# KiCad board latentpink.kicad_pcb (continued)
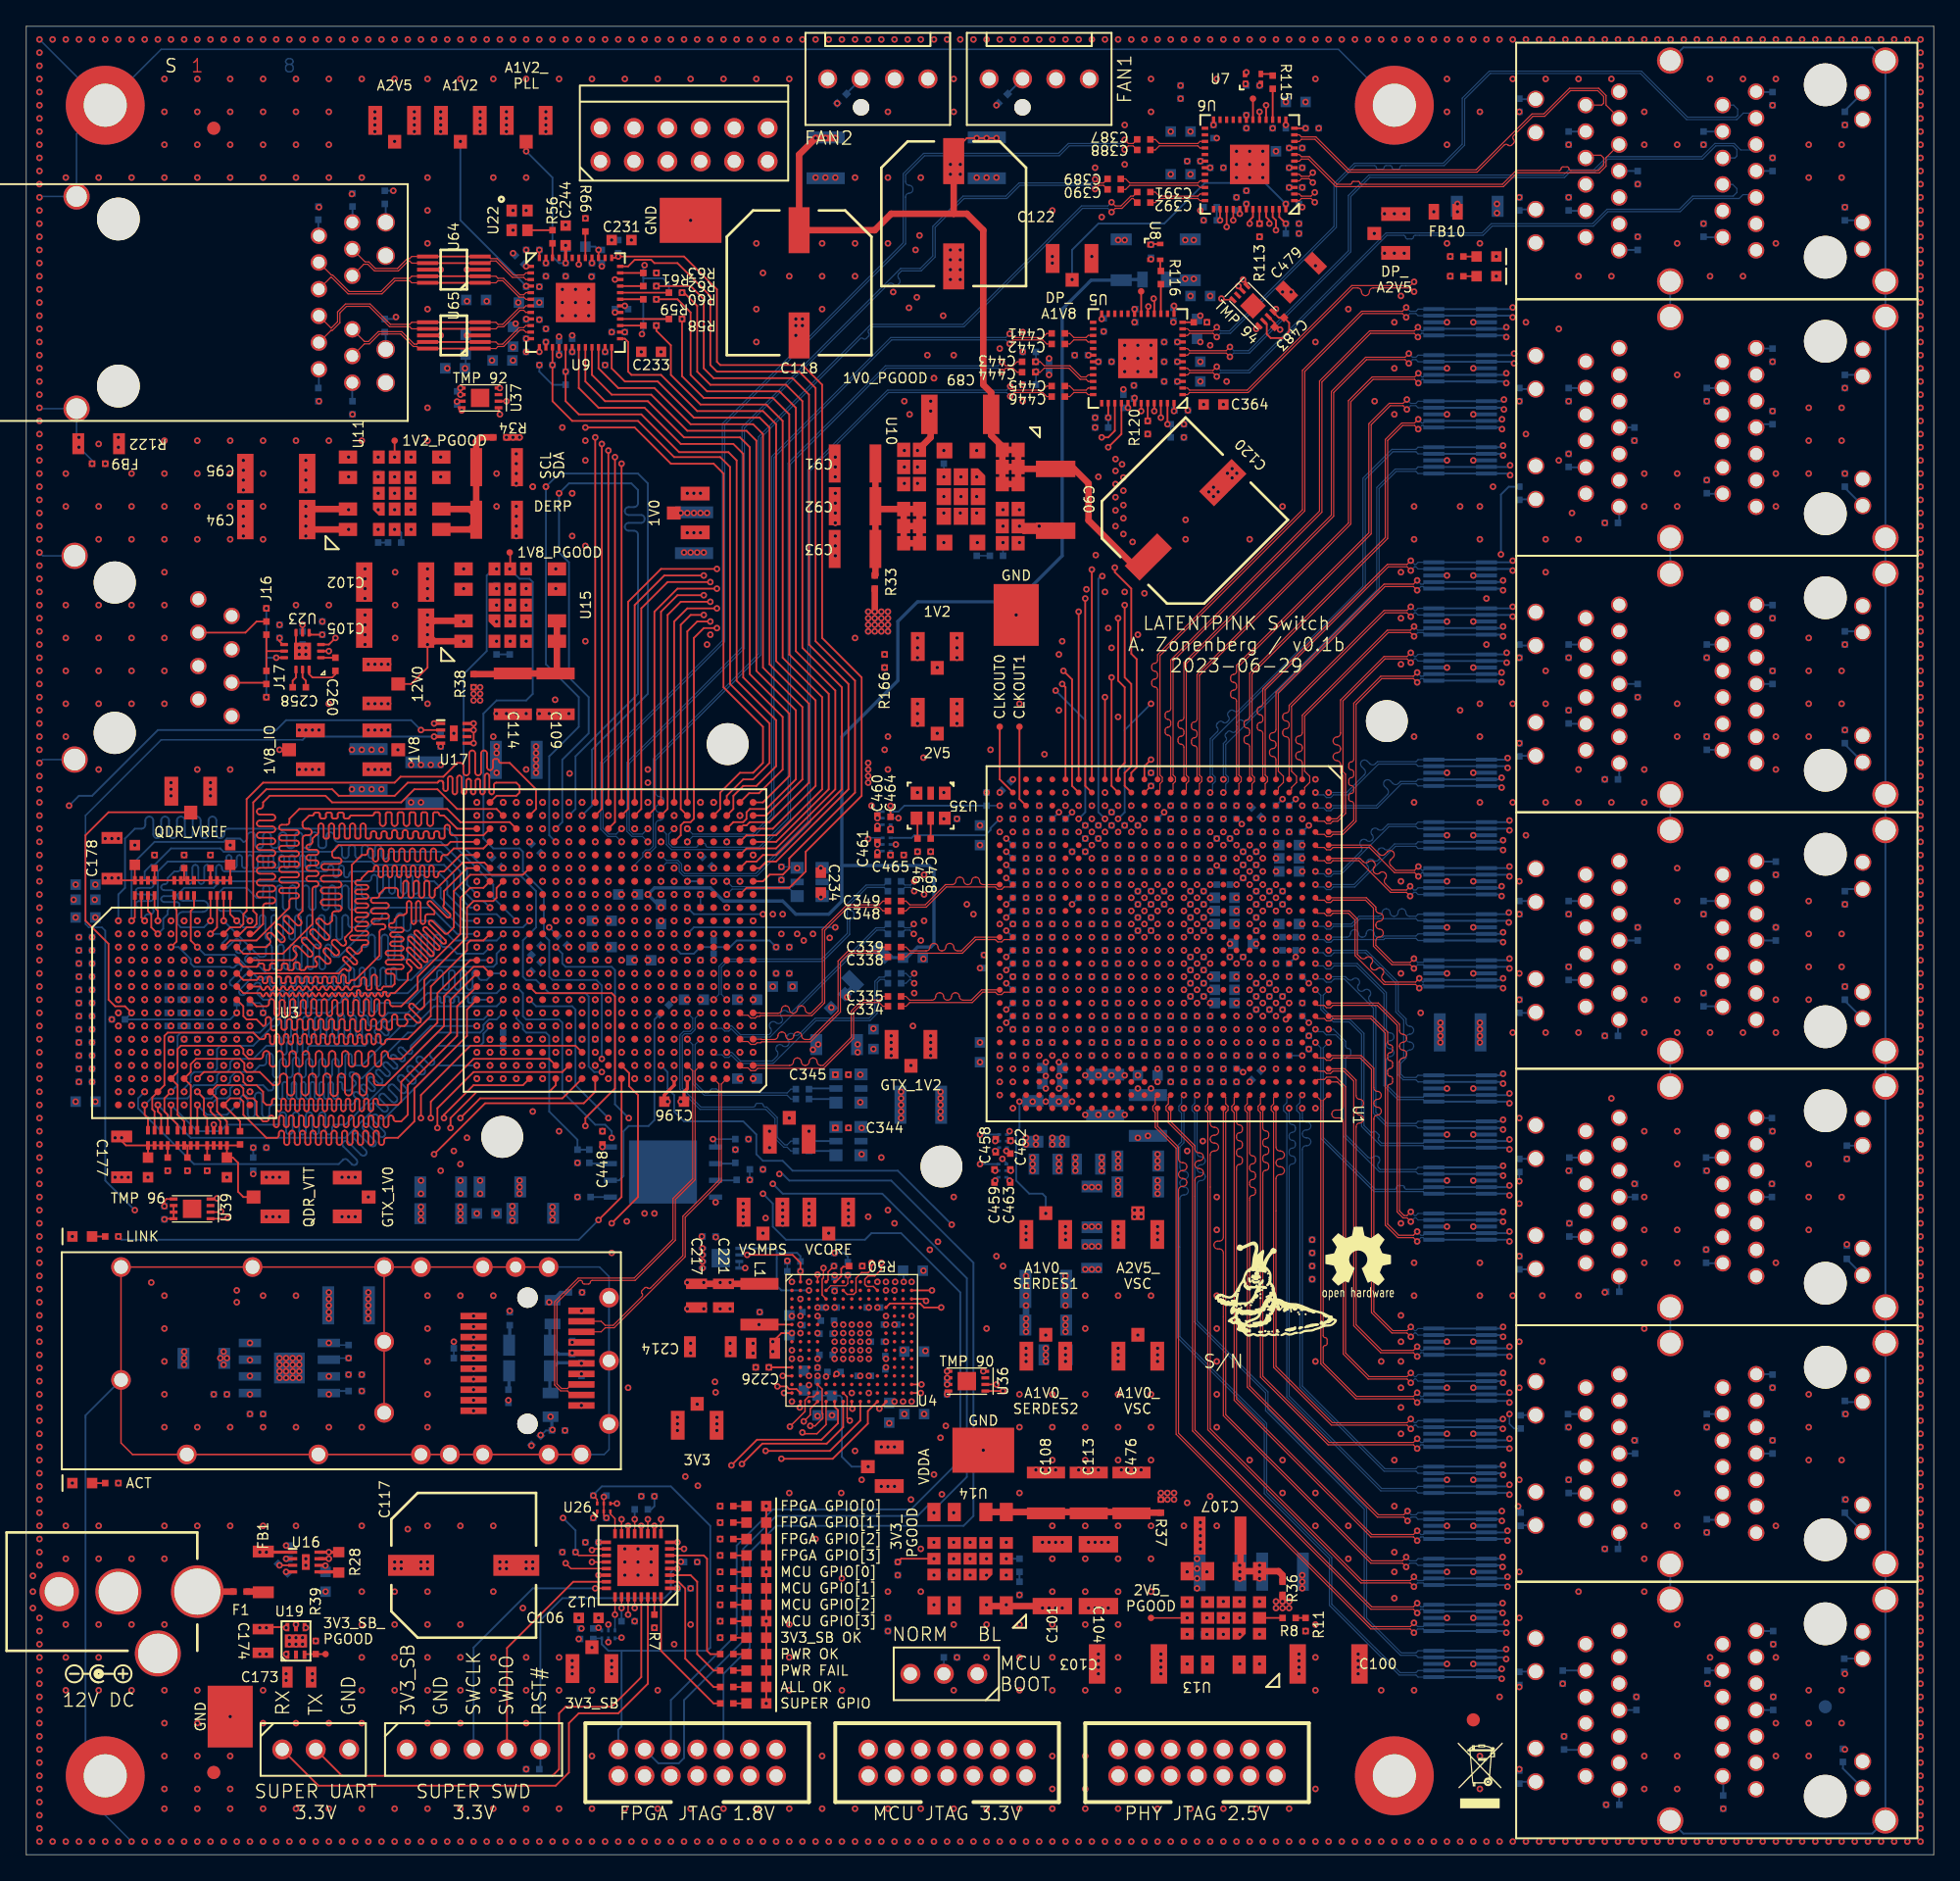
[diagram p0: board, top side]
## Footprints (pads in the part's own frame, mm; a bottom-side part is the same pattern mirrored in y, then rotated) (continued)
MODULE_MURATA_MYMGK00504ERSR
  rect 1x1.4 smd: 1(-2.75,3.55) 2(-1.2,3.55) 6(-2.75,-3.55) 7(-1.2,-3.55) 8(1.2,-3.55) 9(2.75,-3.55) 13(2.75,3.55) 14(1.2,3.55)
  rect 1x0.9 smd: 3(-2.75,1.2) 4(-2.75,0) 5(-2.75,-1.2) 10(2.75,-1.2) 11(2.75,0) 12(2.75,1.2) 16(-1.2,0) 17(-1.2,-1.2) 18(0,1.2) 19(0,0) 20(0,-1.2) 21(1.2,1.2) 22(1.2,0) 23(1.2,-1.2)
  rrect 1x0.9 smd: 15(-1.2,1.2)
OSCILLATOR_1.6x1.2
  rect 0.43x0.5 smd: 1(-0.56,-0.375)
  rect 0.35x0.5 smd: 2(0.6,-0.375) 3(0.6,0.375) 4(-0.6,0.375)
OSCILLATOR_2.0x1.6
  rect 0.9x0.8 smd: 1(0.75,0.6) 2(-0.75,0.6) 3(-0.75,-0.6) 4(0.75,-0.6)
OSCILLATOR_LVDS_3.2x2.5
  rect 0.9x1 smd: 1(-1.075,-0.95) 3(1.075,-0.95) 4(1.075,0.95) 6(-1.075,0.95)
  rect 0.5x1 smd: 2(0,-0.95) 5(0,0.95)
QFN_12_0.5MM_3x3MM
  rrect 0.6x0.25 smd: 1(-1.4,0.5) 2(-1.4,0) 3(-1.4,-0.5) 7(1.4,-0.5) 8(1.4,0) 9(1.4,0.5)
  rrect 0.25x0.6 smd: 4(-0.5,-1.4) 5(0,-1.4) 6(0.5,-1.4) 10(0.5,1.4) 11(0,1.4) 12(-0.5,1.4)
  rect 1.3x1.3 smd: PAD(0,0)
QFN_32_0.5MM_5x5MM
  rect 0.6x0.6 smd: (-1.275,1.275) (-1.275,0.425) (-1.275,-0.425) (-1.275,-1.275) (-0.425,1.275) (-0.425,0.425) (-0.425,-0.425) (-0.425,-1.275) (0.425,1.275) (0.425,0.425) (0.425,-0.425) (0.425,-1.275) (1.275,1.275) (1.275,0.425) (1.275,-0.425) (1.275,-1.275)
  rect 0.7x0.28 smd: 1(-2.4,1.75) 2(-2.4,1.25) 3(-2.4,0.75) 4(-2.4,0.25) 5(-2.4,-0.25) 6(-2.4,-0.75) 7(-2.4,-1.25) 8(-2.4,-1.75) 17(2.4,-1.75) 18(2.4,-1.25) 19(2.4,-0.75) 20(2.4,-0.25) 21(2.4,0.25) 22(2.4,0.75) 23(2.4,1.25) 24(2.4,1.75)
  rect 0.28x0.7 smd: 9(-1.75,-2.4) 10(-1.25,-2.4) 11(-0.75,-2.4) 12(-0.25,-2.4) 13(0.25,-2.4) 14(0.75,-2.4) 15(1.25,-2.4) 16(1.75,-2.4) 25(1.75,2.4) 26(1.25,2.4) 27(0.75,2.4) 28(0.25,2.4) 29(-0.25,2.4) 30(-0.75,2.4) 31(-1.25,2.4) 32(-1.75,2.4)
  rect 3.15x3.15 smd: PAD(0,0)
QFN_48_0.5MM_7x7MM
  rect 0.5x0.25 smd: 1(-3.4,2.75) 2(-3.4,2.25) 3(-3.4,1.75) 4(-3.4,1.25) 5(-3.4,0.75) 6(-3.4,0.25) 7(-3.4,-0.25) 8(-3.4,-0.75) 9(-3.4,-1.25) 10(-3.4,-1.75) 11(-3.4,-2.25) 12(-3.4,-2.75) 25(3.4,-2.75) 26(3.4,-2.25) 27(3.4,-1.75) 28(3.4,-1.25) 29(3.4,-0.75) 30(3.4,-0.25) 31(3.4,0.25) 32(3.4,0.75) 33(3.4,1.25) 34(3.4,1.75) 35(3.4,2.25) 36(3.4,2.75)
  rect 0.25x0.5 smd: 13(-2.75,-3.4) 14(-2.25,-3.4) 15(-1.75,-3.4) 16(-1.25,-3.4) 17(-0.75,-3.4) 18(-0.25,-3.4) 19(0.25,-3.4) 20(0.75,-3.4) 21(1.25,-3.4) 22(1.75,-3.4) 23(2.25,-3.4) 24(2.75,-3.4) 37(2.75,3.4) 38(2.25,3.4) 39(1.75,3.4) 40(1.25,3.4) 41(0.75,3.4) 42(0.25,3.4) 43(-0.25,3.4) 44(-0.75,3.4) 45(-1.25,3.4) 46(-1.75,3.4) 47(-2.25,3.4) 48(-2.75,3.4)
  rect 0.75x0.75 smd: PAD(-1,1) PAD(-1,0) PAD(-1,-1) PAD(0,1) PAD(0,0) PAD(0,-1) PAD(1,1) PAD(1,0) PAD(1,-1)
  rect 3x3 smd: PAD(0,0)
SOIC_8_3.9MM_EPAD
  rect 0.65x1.7 smd: 1(-1.905,-3) 2(-0.635,-3) 3(0.635,-3) 4(1.905,-3) 5(1.905,3) 6(0.635,3) 7(-0.635,3) 8(-1.905,3)
  rect 2.34x2.34 smd: PAD(0,0)
SOP_10_0.5MM_3MM
  rect 0.3x1.6 smd: 1(-1,-2) 2(-0.5,-2) 3(0,-2) 4(0.5,-2) 5(1,-2) 6(1,2) 7(0.5,2) 8(0,2) 9(-0.5,2) 10(-1,2)
TESTPOINT_SMT_0.5MM
  round 0.5 smd: 1(0,0)
TESTPOINT_SMT_KEYSTONE_5016
  rect 4.7x3.43 smd: 1(0,0)
XILINX_JTAG_PTH_MOLEX_0878311420
  round 1.5 hole 1: 1(-6,-1) 2(-6,1) 3(-4,-1) 4(-4,1) 5(-2,-1) 6(-2,1) 7(0,-1) 8(0,1) 9(2,-1) 10(2,1) 11(4,-1) 12(4,1) 13(6,-1) 14(6,1)
YAGEO_YC124-FR
  rect 0.3x0.65 smd: 1(-0.75,-0.575) 2(-0.25,-0.575) 3(0.25,-0.575) 4(0.75,-0.575) 5(0.75,0.575) 6(0.25,0.575) 7(-0.25,0.575) 8(-0.75,0.575)

## Nets
/1V0: C1.1 C2.1 C3.1 C4.1 C5.1 C8.1 C9.1 C10.1 C11.1 C12.1 C15.1 C16.1 C17.1 C18.1 C19.1 C22.1 C23.1 C24.1 C25.1 C26.1 C29.1 C30.1 C31.1 C32.1 C33.1 C36.1 C37.1 C38.1 C39.1 C40.1 C43.1 C44.1 C45.1 C46.1 C47.1 C50.1 C51.1 C52.1 C53.1 C56.1 C57.1 C58.1 C59.1 C62.1 C63.1 C64.1 C65.1 C154.1 C158.1 C161.1 C163.1 C165.1 C193.1 C262.1 C263.1 C284.1 C358.1 C362.1 C366.1 C370.1 C373.1 C376.1 C381.1 C383.1 C385.1 C386.1 FB2.1 L2.2 L3.2 L5.2 R33.1 R35.2 TP12.1 U1.G6 U1.G7 U1.G8 U1.G11 U1.G12 U1.G15 U1.G16 U1.G19 U1.G20 U1.G21 U1.H6 U1.H7 U1.H8 U1.H9 U1.H10 U1.H11 U1.H12 U1.H15 U1.H16 U1.H17 U1.H18 U1.H19 U1.H20 U1.H21 U1.L6 U1.L7 U1.L20 U1.L21 U1.M6 U1.M7 U1.M20 U1.M21 U1.N6 U1.N7 U1.N20 U1.N21 U1.P6 U1.P7 U1.P20 U1.P21 U1.R6 U1.R7 U1.R20 U1.R21 U1.T6 U1.T7 U1.T20 U1.T21 U1.V6 U1.V7 U1.V8 U1.V9 U1.V10 U1.V11 U1.V12 U1.V13 U1.V14 U1.V15 U1.V16 U1.V17 U1.V18 U1.V19 U1.V20 U1.V21 U1.W6 U1.W7 U1.W8 U1.W9 U1.W10 U1.W11 U1.W12 U1.W13 U1.W14 U1.W15 U1.W16 U1.W17 U1.W18 U1.W19 U1.W20 U1.W21 U2.J9 U2.J11 U2.J13 U2.J15 U2.K8 U2.K14 U2.L9 U2.L13 U2.L15 U2.M8 U2.M14 U2.N9 U2.N13 U2.N15 U2.P14 U2.R13 U2.R15 U5.6 U5.24 U5.31 U5.42 U6.6 U6.24 U6.31 U6.42
/1V2: C194.1 C232.1 C233.1 C240.1 C246.1 C250.1 C253.1 C255.1 C256.1 FB3.1 FB7.1 FB8.1 R34.1 R166.1 TP11.1 U9.14 U9.18 U9.23 U9.26 U9.30 U9.39
/1V8: C124.1 C125.1 C129.1 C130.1 C134.1 C135.1 C139.1 C140.1 C144.1 C145.1 C149.1 C150.1 C155.1 C159.1 C162.1 C164.1 C166.1 C169.1 C170.1 C195.1 C478.1 FB4.1 FB11.2 R38.1 TP9.1 U2.K10 U2.K12 U2.M10 U2.P7 U2.P8 U2.P10 U2.P12 U2.R9 U2.R11 U3.F5 U3.F7 U3.G5 U3.G7 U3.H5 U3.H7 U3.J5 U3.J7 U3.K5 U3.K7 U15.5 U17.1 U17.PAD U18.5 U18.7
/1V8_IO: C126.1 C127.1 C128.1 C131.1 C132.1 C133.1 C136.1 C137.1 C138.1 C141.1 C142.1 C143.1 C146.1 C147.1 C148.1 C151.1 C152.1 C153.1 C156.1 C160.1 C228.1 C231.1 C239.1 C245.1 C355.1 C356.1 C360.1 C364.1 C368.1 C372.1 C375.1 C378.1 C382.1 C384.1 C448.1 C458.1 C459.1 C460.1 C461.1 C485.1 C486.1 J9.2 R40.1 R41.1 R42.1 R44.1 R66.1 R67.1 R68.1 R69.1 R73.1 R74.1 R76.1 R113.1 R117.1 R119.1 R120.1 R127.2 R128.2 R129.2 R137.2 R139.2 R141.2 R143.2 R145.2 R147.2 R168.2 TP10.1 U2.A17 U2.AA7 U2.AA17 U2.AB4 U2.AB14 U2.B14 U2.C21 U2.D18 U2.E15 U2.F22 U2.G19 U2.H16 U2.J7 U2.K20 U2.L17 U2.M4 U2.N1 U2.N7 U2.N21 U2.P18 U2.R5 U2.T2 U2.T12 U2.T22 U2.U9 U2.U19 U2.V6 U2.V16 U2.W3 U2.W13 U2.Y10 U2.Y20 U3.E4 U3.E8 U3.F4 U3.F8 U3.G4 U3.G8 U3.H1 U3.H3 U3.H4 U3.H8 U3.H9 U3.J4 U3.J8 U3.K4 U3.K8 U3.L4 U3.L8 U5.19 U5.30 U5.41 U6.19 U6.30 U6.41 U7.1 U7.4 U8.1 U8.4 U9.16 U9.34 U9.40 U17.5 U17.7 U17.8 U22.1 U22.4 U26.6 U27.6 U28.8 U31.1 U32.1 U33.1 U33.5 U34.1
/2V5: C230.1 C283.1 C301.1 C302.1 C303.1 C306.1 C307.1 C308.1 C311.1 C312.1 C313.1 C316.1 C317.1 C318.1 C321.1 C322.1 C323.1 C324.1 C325.1 C328.1 C329.1 C330.1 C331.1 C332.1 C333.1 C462.1 C463.1 C464.1 C465.1 C477.1 FB6.1 FB10.2 J3.2 L4.2 R36.1 R106.1 R107.2 R108.1 R132.2 R133.2 TP8.1 U1.AA5 U1.AB5 U1.AC4 U1.AC5 U1.AD4 U1.AE3 U1.AF2 U1.C18 U1.E6 U1.E7 U1.E20 U1.E21 U1.F6 U1.F21 U1.P5 U1.R5 U1.T5 U1.U5 U1.V5 U1.W5 U1.Y5 U13.5 U31.6 U32.6 U33.6 U34.6 U40.3 U41.3 U42.3 U43.3 U44.3 U45.3 U46.3 U47.3 U48.3 U49.3 U50.3 U51.3 U52.3 U53.3 U54.3 U55.3 U56.3 U57.3 U58.3 U59.3 U60.3 U61.3 U62.3 U63.3
/3V3: C157.1 C172.1 C202.1 C204.1 C206.1 C207.1 C208.1 C211.1 C212.2 C214.1 C215.1 C216.2 C219.1 C220.2 C222.1 C223.2 C224.1 C225.2 C227.1 C234.1 C241.1 C257.1 C344.1 C345.1 C466.1 C481.1 C482.1 C483.1 C484.1 FB5.1 J4.28 J4.30 J4.32 J4.34 J8.28 J8.30 J8.32 J8.34 J10.2 J15.1 J18.28 J18.30 J18.32 J18.34 J19.28 J19.30 J19.32 J19.34 J20.28 J20.30 J20.32 J20.34 J21.28 J21.30 J21.32 J21.34 J23.6 J23.12 R3.2 R4.2 R37.1 R49.2 R51.2 R52.2 R77.1 R78.2 R79.2 R134.2 R155.2 TP7.1 U2.C11 U2.D8 U2.F12 U2.G9 U4.D4 U4.D5 U4.D11 U4.E2 U4.E4 U4.E12 U4.E15 U4.F13 U4.G1 U4.G4 U4.H12 U4.K4 U4.L12 U4.M3 U4.M5 U4.M9 U14.5 U18.6 U20.7 U20.8 U21.1 U21.6 U23.5 U24.1 U24.6 U25.1 U25.6 U35.1 U35.6 U36.8 U37.7 U37.8 U38.6 U38.8 U39.6 U39.7 U39.8
/3V3_SB: C106.1 C110.1 C115.1 C116.1 C119.1 C123.1 C173.1 C229.1 C447.1 J13.1 R14.2 R16.2 R18.2 R20.2 R22.2 R25.1 R39.2 TP15.1 U12.1 U12.5 U12.17 U16.3 U17.3 U19.1 U26.1 U27.1
/12V0: C89.1 C90.1 C94.1 C95.1 C98.1 C99.1 C100.1 C101.1 C102.1 C103.1 C104.1 C105.1 C117.1 C118.1 C120.1 C122.1 J11.2 J12.2 R28.2 TP6.1 U10.1 U10.2 U10.3 U10.4 U10.5 U10.6 U11.1 U11.2 U13.1 U13.2 U14.1 U14.2 U15.1 U15.2 U16.7 U16.8
/GND: C1.2 C2.2 C3.2 C4.2 C5.2 C6.2 C7.2 C8.2 C9.2 C10.2 C11.2 C12.2 C13.2 C14.2 C15.2 C16.2 C17.2 C18.2 C19.2 C20.2 C21.2 C22.2 C23.2 C24.2 C25.2 C26.2 C27.2 C28.2 C29.2 C30.2 C31.2 C32.2 C33.2 C34.2 C35.2 C36.2 C37.2 C38.2 C39.2 C40.2 C41.2 C42.2 C43.2 C44.2 C45.2 C46.2 C47.2 C48.2 C49.2 C50.2 C51.2 C52.2 C53.2 C54.2 C55.2 C56.2 C57.2 C58.2 C59.2 C60.2 C61.2 C62.2 C63.2 C64.2 C65.2 C66.2 C67.2 C68.2 C69.2 C70.2 C71.2 C72.2 C73.2 C74.2 C75.2 C76.2 C77.2 C78.2 C79.2 C80.2 C81.2 C82.2 C83.2 C84.2 C85.2 C86.2 C87.2 C88.2 C89.2 C90.2 C91.2 C92.2 C93.2 C94.2 C95.2 C96.2 C97.2 C98.2 C99.2 C100.2 C101.2 C102.2 C103.2 C104.2 C105.2 C106.2 C107.2 C108.2 C109.2 C110.2 C111.2 C112.2 C113.2 C114.2 C115.2 C116.2 C117.2 C118.2 C119.2 C120.2 C121.2 C122.2 C123.2 C124.2 C125.2 C126.2 C127.2 C128.2 C129.2 C130.2 C131.2 C132.2 C133.2 C134.2 C135.2 C136.2 C137.2 C138.2 C139.2 C140.2 C141.2 C142.2 C143.2 C144.2 C145.2 C146.2 C147.2 C148.2 C149.2 C150.2 C151.2 C152.2 C153.2 C154.2 C155.2 C156.2 C157.2 C158.2 C159.2 C160.2 C161.2 C162.2 C163.2 C164.2 C165.2 C166.2 C167.2 C168.2 C169.2 C170.2 C171.2 C172.2 C173.2 C174.2 C175.2 C176.2 C177.2 C178.2 C179.2 C180.2 C181.2 C182.2 C183.2 C184.2 C185.2 C186.2 C187.2 C188.2 C189.2 C190.2 C191.2 C192.2 C193.2 C194.2 C195.2 C196.2 C197.2 C198.2 C199.2 C200.2 C201.2 C202.2 C203.2 C204.2 C205.2 C206.2 C207.2 C208.2 C209.2 C210.2 C211.2 C212.1 C213.2 C214.2 C215.2 C216.1 C217.2 C218.2 C219.2 C220.1 C221.2 C222.2 C223.1 C224.2 C225.1 C226.2 C227.2 C228.2 C229.2 C230.2 C231.2 C232.2 C233.2 C234.2 C235.1 C236.1 C237.1 C238.1 C239.2 C240.2 C241.2 C242.2 C243.2 C244.2 C245.2 C246.2 C247.2 C248.2 C249.2 C250.2 C251.2 C252.2 C253.2 C254.2 C255.2 C256.2 C257.2 C259.2 C261.2 C262.2 C263.2 C264.2 C265.2 C266.2 C267.2 C268.2 C269.2 C270.2 C271.2 C272.2 C273.2 C274.2 C275.2 C276.2 C277.2 C278.2 C279.2 C280.2 C281.2 C282.2 C283.2 C284.2 C285.2 C286.2 C287.2 C288.2 C289.2 C290.2 C291.2 C292.2 C293.2 C294.2 C295.2 C296.2 C297.2 C298.2 C299.2 C300.2 C301.2 C302.2 C303.2 C304.2 C305.2 C306.2 C307.2 C308.2 C309.2 C310.2 C311.2 C312.2 C313.2 C314.2 C315.2 C316.2 C317.2 C318.2 C319.2 C320.2 C321.2 C322.2 C323.2 C324.2 C325.2 C326.2 C327.2 C328.2 C329.2 C330.2 C331.2 C332.2 C333.2 C344.2 C345.2 C352.2 C353.2 C354.2 C355.2 C356.2 C357.2 C358.2 C359.2 C360.2 C361.2 C362.2 C363.2 C364.2 C365.2 C366.2 C367.2 C368.2 C369.2 C370.2 C371.2 C372.2 C373.2 C374.2 C375.2 C376.2 C377.2 C378.2 C379.2 C380.2 C381.2 C382.2 C383.2 C384.2 C385.2 C386.2 C393.1 C394.1 C395.1 C396.1 C397.1 C398.1 C399.1 C400.1 C401.1 C402.1 C403.1 C404.1 C405.1 C406.1 C407.1 C408.1 C409.1 C410.1 C411.1 C412.1 C413.1 C414.1 C415.1 C416.1 C417.1 C418.1 C419.1 C420.1 C421.1 C422.1 C423.1 C424.1 C425.1 C426.1 C427.1 C428.1 C429.1 C430.1 C431.1 C432.1 C433.1 C434.1 C435.1 C436.1 C437.1 C438.1 C439.1 C440.1 C447.2 C448.2 C449.2 C450.2 C451.2 C452.2 C453.2 C454.2 C455.2 C456.2 C457.2 C458.2 C459.2 C460.2 C461.2 C462.2 C463.2 C464.2 C465.2 C466.2 C469.2 C470.2 C473.2 C474.2 C475.2 C476.2 C477.2 C478.2 C479.2 C480.2 C481.2 C482.2 C483.2 C484.2 C485.2 C486.2 C487.2 D1.1 D2.1 D3.1 D4.1 D5.1 D6.1 D7.1 D8.1 D9.1 D10.1 D11.1 D12.1 D13.1 D14.1 D15.1 D16.1 D17.1 FB9.1 J1.1 J1.10 J1.11 J1.14 J1.17 J1.20 J3.3 J3.5 J3.7 J3.9 J3.11 J4.1 J4.20 J5.13 J5.15 J6.2 J7.4 J7.5 J8.1 J8.20 J9.3 J9.5 J9.7 J9.9 J9.11 J10.3 J10.5 J10.7 J10.9 J10.11 J11.1 J12.1 J13.2 J14.3 J15.3 J18.1 J18.20 J19.1 J19.20 J20.1 J20.20 J21.1 J21.20 J22.1 J22.20 J22.27 J22.29 J22.31 J22.33 J23.5 J23.11 R2.1 R6.1 R7.2 R11.1 R12.1 R13.1 R15.2 R17.2 R19.2 R21.2 R23.2 R29.2 R31.2 R32.2 R45.1 R46.1 R47.1 R57.1 R64.1 R65.1 R70.1 R71.1 R72.1 R75.1 R109.1 R110.1 R111.1 R114.1 R118.1 R121.1 R122.1 R130.1 R135.1 R136.1 R138.2 R140.2 R142.2 R144.2 R146.2 R148.2 R167.2 TP6.2 TP7.2 TP8.2 TP9.2 TP10.2 TP11.2 TP12.2 TP13.2 TP14.2 TP15.2 TP17.2 TP18.2 TP23.2 TP24.2 TP25.2 TP26.2 TP27.2 TP28.2 TP29.2 TP30.2 TP31.2 TP32.1 TP33.1 TP34.1 TP35.1 TP36.2 TP37.2 TP38.2 TP39.2 TP42.1 TP43.1 U1.AA12 U1.AA16 U1.AA20 U1.AA22 U1.AB6 U1.AB7 U1.AB8 U1.AB9 U1.AB10 U1.AB11 U1.AB12 U1.AB13 U1.AB14 U1.AB15 U1.AB16 U1.AB17 U1.AB18 U1.AB19 U1.AB20 U1.AB21 U1.AB22 U1.AC3 U1.AC22 U1.AD5 U1.AD22 U1.AD23 U1.AE1 U1.AE4 U1.AE5 U1.AE12 U1.AE16 U1.AE20 U1.AE23 U1.AE24 U1.AE26 U1.AF5 U1.AF12 U1.AF16 U1.AF20 U1.AF23 U1.AF24 U1.AF25 U1.B1 U1.B26 U1.C6 U1.C7 U1.C8 U1.C12 U1.C13 U1.C14 U1.C22 U1.C23 U1.G3 U1.G5 U1.G22 U1.G24 U1.H3 U1.H5 U1.H22 U1.H24 U1.K3 U1.K8 U1.K9 U1.K10 U1.K11 U1.K12 U1.K13 U1.K14 U1.K15 U1.K16 U1.K17 U1.K18 U1.K19 U1.K24 U1.L3 U1.L5 U1.L8 U1.L9 U1.L10 U1.L11 U1.L12 U1.L13 U1.L14 U1.L15 U1.L16 U1.L17 U1.L18 U1.L19 U1.L22 U1.L24 U1.M8 U1.M9 U1.M10 U1.M11 U1.M12 U1.M13 U1.M14 U1.M15 U1.M16 U1.M17 U1.M18 U1.M19 U1.N3 U1.N4 U1.N5 U1.N8 U1.N9 U1.N10 U1.N11 U1.N12 U1.N13 U1.N14 U1.N15 U1.N16 U1.N17 U1.N18 U1.N19 U1.N22 U1.N23 U1.N24 U1.P3 U1.P8 U1.P9 U1.P10 U1.P11 U1.P12 U1.P13 U1.P14 U1.P15 U1.P16 U1.P17 U1.P18 U1.P19 U1.P22 U1.P23 U1.P24 U1.R8 U1.R9 U1.R10 U1.R11 U1.R12 U1.R13 U1.R14 U1.R15 U1.R16 U1.R17 U1.R18 U1.R19 U1.R22 U1.T8 U1.T9 U1.T10 U1.T11 U1.T12 U1.T13 U1.T14 U1.T15 U1.T16 U1.T17 U1.T18 U1.T19 U1.T22 U1.U6 U1.U7 U1.U8 U1.U9 U1.U10 U1.U11 U1.U12 U1.U13 U1.U14 U1.U15 U1.U16 U1.U17 U1.U18 U1.U19 U1.U20 U1.U21 U1.U22 U1.V22 U1.W22 U1.Y12 U1.Y16 U1.Y20 U1.Y22 U2.A1 U2.A5 U2.A7 U2.A12 U2.A22 U2.AA2 U2.AA12 U2.AA22 U2.AB9 U2.AB19 U2.B3 U2.B4 U2.B7 U2.B9 U2.B19 U2.C1 U2.C5 U2.C7 U2.C16 U2.D3 U2.D4 U2.D7 U2.D13 U2.E1 U2.E5 U2.E7 U2.E10 U2.E20 U2.F3 U2.F4 U2.F7 U2.F17 U2.G1 U2.G5 U2.G14 U2.H3 U2.H4 U2.H5 U2.H11 U2.H21 U2.J1 U2.J2 U2.J3 U2.J8 U2.J10 U2.J12 U2.J14 U2.J18 U2.K5 U2.K9 U2.K11 U2.K13 U2.K15 U2.L2 U2.L8 U2.L10 U2.L11 U2.L12 U2.L14 U2.L22 U2.M7 U2.M9 U2.M11 U2.M12 U2.M13 U2.M15 U2.M19 U2.N6 U2.N8 U2.N10 U2.N11 U2.N12 U2.N14 U2.N16 U2.P3 U2.P9 U2.P11 U2.P13 U2.P15 U2.R8 U2.R10 U2.R12 U2.R14 U2.R20 U2.T7 U2.T17 U2.U4 U2.U14 U2.V1 U2.V11 U2.V21 U2.W8 U2.W18 U2.Y5 U2.Y15 U3.C4 U3.C8 U3.D4 U3.D5 U3.D6 U3.D7 U3.D8 U3.E5 U3.E6 U3.E7 U3.F6 U3.G6 U3.H6 U3.J6 U3.K6 U3.L5 U3.L6 U3.L7 U3.M4 U3.M5 U3.M6 U3.M7 U3.M8 U3.N4 U3.N8 U3.R2 U4.A1 U4.A15 U4.C2 U4.D6 U4.D10 U4.E1 U4.F2 U4.F6 U4.F7 U4.F8 U4.F9 U4.F10 U4.F12 U4.G6 U4.G7 U4.G8 U4.G9 U4.G10 U4.H6 U4.H7 U4.H8 U4.H9 U4.H10 U4.J6 U4.J7 U4.J8 U4.J9 U4.J10 U4.J14 U4.K2 U4.K6 U4.K7 U4.K8 U4.K9 U4.K10 U4.K12 U4.L4 U4.M6 U4.M10 U4.N3 U4.R1 U4.R15 U5.PAD U6.PAD U7.2 U8.2 U9.13 U9.29 U9.PAD U10.9 U10.10 U10.11 U10.12 U10.13 U10.14 U10.23 U10.24 U10.25 U10.26 U10.27 U10.28 U10.29 U10.30 U10.31 U10.32 U10.33 U10.34 U10.35 U10.36 U10.37 U11.3 U11.8 U11.9 U11.10 U11.13 U11.14 U11.15 U11.16 U11.17 U11.18 U11.19 U11.20 U11.21 U11.22 U11.23 U12.PAD U13.3 U13.8 U13.9 U13.10 U13.13 U13.14 U13.15 U13.16 U13.17 U13.18 U13.19 U13.20 U13.21 U13.22 U13.23 U14.3 U14.8 U14.9 U14.10 U14.13 U14.14 U14.15 U14.16 U14.17 U14.18 U14.19 U14.20 U14.21 U14.22 U14.23 U15.3 U15.8 U15.9 U15.10 U15.13 U15.14 U15.15 U15.16 U15.17 U15.18 U15.19 U15.20 U15.21 U15.22 U15.23 U16.4 U17.4 U18.1 U18.PAD U19.5 U19.PAD U20.1 U20.2 U20.3 U20.4 U21.3 U22.2 U23.6 U23.PAD U24.3 U25.3 U26.2 U26.5 U27.2 U27.5 U28.4 U31.2 U31.5 U32.2 U32.5 U33.2 U34.2 U35.3 U36.4 U36.5 U36.6 U36.7 U37.4 U37.5 U37.6 U38.4 U38.5 U38.7 U39.4 U39.5 U40.8 U41.8 U42.8 U43.8 U44.8 U45.8 U46.8 U47.8 U48.8 U49.8 U50.8 U51.8 U52.8 U53.8 U54.8 U55.8 U56.8 U57.8 U58.8 U59.8 U60.8 U61.8 U62.8 U63.8 U64.8 U65.8
/Management/RGMII PHY/A1V2: C243.1 C247.1 C252.1 FB7.2 TP30.1 U9.4 U9.9
/Management/RGMII PHY/A1V2_PLL: C244.1 C248.1 FB8.2 TP29.1 U9.44
/Management/RGMII PHY/A2V5: C242.1 C249.1 C251.1 C254.1 FB6.2 TP31.1 U9.1 U9.12 U9.47 U64.3 U65.3
/Power Supply/1V0_EN: R15.1 U10.8 U12.11
/Power Supply/1V0_PGOOD: R14.1 TP2.1 U10.7 U12.12
/Power Supply/1V0_RAW: C91.1 C92.1 C93.1 R33.2 U10.15 U10.16 U10.17 U10.18 U10.19 U10.20
/Power Supply/1V0_SENSE: R35.1 U10.21
/Power Supply/1V2_EN: R17.1 U11.12 U12.15
/Power Supply/1V2_PGOOD: R16.1 TP1.1 U11.11 U12.13
/Power Supply/1V2_RAW: C96.1 C97.1 R34.2 U11.6 U11.7
/Power Supply/1V2_SENSE: R166.2 U11.5
/Power Supply/1V8_EN: R19.1 U12.10 U15.12
/Power Supply/1V8_IO_EN: R31.1 U12.26 U17.2
/Power Supply/1V8_PGOOD: R18.1 TP5.1 U12.19 U15.11
/Power Supply/1V8_RAW: C109.1 C114.1 R38.2 U15.6 U15.7
/Power Supply/2V5_EN: R21.1 U12.8 U13.12
/Power Supply/2V5_PGOOD: R20.1 TP3.1 U12.20 U13.11
/Power Supply/2V5_RAW: C107.1 C112.1 C475.1 R36.2 U13.6 U13.7
/Power Supply/3V3_EN: R23.1 U12.7 U14.12
/Power Supply/3V3_PGOOD: R22.1 TP4.1 U12.18 U14.11
/Power Supply/3V3_RAW: C108.1 C113.1 C476.1 R37.2 U14.6 U14.7
/Power Supply/3V3_SB_PGOOD: R39.1 TP16.1 U19.3
/Power Supply/12V0_BLEED: R28.1 U16.5
/Power Supply/12V0_EN: R29.1 U12.22 U16.2
/Power Supply/12V0_FUSED: C174.1 FB1.2 U16.1 U16.PAD U19.4 U19.6
/Power Supply/12V0_RAW: F1.1 J6.1
/QSGMII PHY/QSGMII Power/A1V0_VSC: C264.1 C265.1 C266.1 C267.1 C268.1 C269.1 C270.1 C271.1 C272.1 C273.1 C274.1 C275.1 C276.1 C277.1 C278.1 C279.1 C280.1 C281.1 C282.1 C285.1 C286.1 C287.1 C288.1 C290.1 C291.1 C294.1 L3.1 TP37.1 U1.E9 U1.E10 U1.E17 U1.E18 U1.F9 U1.F10 U1.F17 U1.F18 U1.G9 U1.G10 U1.G17 U1.G18 U1.J5 U1.J6 U1.J7 U1.J20 U1.J21 U1.J22 U1.K5 U1.K6 U1.K7 U1.K20 U1.K21 U1.K22
/QSGMII PHY/QSGMII Power/A1V0_VSC_SERDES1: C6.1 C7.1 C13.1 C14.1 C20.1 C21.1 C27.1 C28.1 C34.1 C35.1 C41.1 C42.1 C48.1 C49.1 C54.1 C55.1 C60.1 C61.1 C66.1 L2.1 TP36.1 U1.AC6 U1.AC7 U1.AC8 U1.AC9 U1.AC10 U1.AC11 U1.AC12 U1.AC13 U1.AC14 U1.AC15 U1.AC16 U1.AC17 U1.AC18 U1.AC19 U1.AC20 U1.AC21
/QSGMII PHY/QSGMII Power/A1V0_VSC_SERDES2: C289.1 C292.1 C293.1 C295.1 C296.1 C297.1 C298.1 C299.1 C300.1 C304.1 C305.1 C309.1 C310.1 C314.1 C315.1 C319.1 C320.1 C326.1 C327.1 L5.1 TP39.1 U1.AD6 U1.AD7 U1.AD8 U1.AD9 U1.AD10 U1.AD11 U1.AD12 U1.AD13 U1.AD14 U1.AD15 U1.AD16 U1.AD17 U1.AD18 U1.AD19 U1.AD20 U1.AD21
/QSGMII PHY/QSGMII Power/A2V5_VSC: C67.1 C68.1 C69.1 C70.1 C71.1 C72.1 C73.1 C74.1 C75.1 C76.1 C77.1 C78.1 C79.1 C80.1 C81.1 C82.1 C83.1 C84.1 C85.1 C86.1 C87.1 C88.1 L4.1 TP38.1 U1.D4 U1.D5 U1.D11 U1.D16 U1.E4 U1.E5 U1.E8 U1.E11 U1.E12 U1.E15 U1.E16 U1.E19 U1.E22 U1.E23 U1.F4 U1.F5 U1.F7 U1.F8 U1.F11 U1.F12 U1.F15 U1.F16 U1.F19 U1.F20 U1.F22 U1.F23 U1.J3 U1.J4 U1.J23 U1.J24 U1.M3 U1.M4 U1.M5 U1.M22 U1.M23 U1.M24
/CHGND: FB9.2 J2.1 J4.SHLD J5.17 J7.9 J8.SHLD J18.SHLD J19.SHLD J20.SHLD J21.SHLD J22.SHLD M3.1 M4.1 M5.1 M6.1 R122.2
/FPGA/FPGA_DONE: R40.2 U2.P6 U26.4
/FPGA/FPGA_FLASH_SCK: R43.1 U28.6
/FPGA/FPGA_INIT: R42.2 U2.L7 U27.4
/FPGA/FPGA_JTAG_TCK: J9.6 U2.K7
/FPGA/FPGA_JTAG_TDI: J9.10 U2.K6
/FPGA/FPGA_JTAG_TDO: J9.8 R30.2
/FPGA/FPGA_JTAG_TMS: J9.4 U2.L6
/FPGA/FPGA_RST_N: R41.2 U2.M6 U12.9
/FPGA/FPGA_TDO: R30.1 U2.J6
/FPGA/GTX_1V0: C196.1 C199.1 FB2.2 TP24.1 U2.A6 U2.C6 U2.E6 U2.G6
/FPGA/GTX_1V2: C197.1 C200.1 FB3.2 TP25.1 U2.A2 U2.C2 U2.E2 U2.G2
/FPGA/GTX_1V8: C198.1 C201.1 FB4.2 TP23.1 U2.J4
/FPGA/QDR SRAM/FPGA_FLASH_CS_N: R129.1 U2.L16 U28.1
/FPGA/QDR SRAM/FPGA_FLASH_DQ0: R126.2 U2.H18
/FPGA/QDR SRAM/FPGA_FLASH_DQ1: R123.1 U2.H19
/FPGA/QDR SRAM/FPGA_FLASH_DQ2: R124.1 R128.1 U2.G18
/FPGA/QDR SRAM/FPGA_FLASH_DQ3: R125.2 R127.1 U2.F19
/FPGA/QDR SRAM/I2C_DERP_SCL: TP40.1 U2.AA14 U2.W16
/FPGA/QDR SRAM/I2C_DERP_SDA: TP41.1 U2.AA15 U2.Y16
/FPGA/QDR SRAM/QDR_A0: RN1.7 U2.M20 U3.A9
/FPGA/QDR SRAM/QDR_A1: RN2.7 U2.N20 U3.B4
/FPGA/QDR SRAM/QDR_A2: RN1.6 U2.L21 U3.B8
/FPGA/QDR SRAM/QDR_A3: RN6.5 U2.L20 U3.C5
/FPGA/QDR SRAM/QDR_A4: RN6.8 U2.K21 U3.C7
/FPGA/QDR SRAM/QDR_A5: RN3.7 U2.K22 U3.N5
/FPGA/QDR SRAM/QDR_A6: RN3.6 U2.J21 U3.N6
/FPGA/QDR SRAM/QDR_A7: RN4.7 U2.J22 U3.N7
/FPGA/QDR SRAM/QDR_A8: RN5.7 U2.M21 U3.P4
/FPGA/QDR SRAM/QDR_A9: RN5.5 U2.J20 U3.P5
/FPGA/QDR SRAM/QDR_A10: RN4.8 U2.G20 U3.P7
/FPGA/QDR SRAM/QDR_A11: RN4.5 U2.H22 U3.P8
/FPGA/QDR SRAM/QDR_A12: RN5.8 U2.G21 U3.R3
/FPGA/QDR SRAM/QDR_A13: RN5.6 U2.E21 U3.R4
/FPGA/QDR SRAM/QDR_A14: RN3.8 U2.F20 U3.R5
/FPGA/QDR SRAM/QDR_A15: RN3.5 U2.E22 U3.R7
/FPGA/QDR SRAM/QDR_A16: RN4.6 U2.F21 U3.R8
/FPGA/QDR SRAM/QDR_A17: R112.1 U2.G22 U3.R9
/FPGA/QDR SRAM/QDR_A18: RN2.6 U2.P21 U3.A3
/FPGA/QDR SRAM/QDR_A19: RN1.8 U2.M22 U3.A10
/FPGA/QDR SRAM/QDR_A20: RN2.5 U2.R22 U3.A2
/FPGA/QDR SRAM/QDR_BWS_0_N: U2.W19 U3.B7
/FPGA/QDR SRAM/QDR_BWS_1_N: U2.Y17 U3.A7
/FPGA/QDR SRAM/QDR_BWS_2_N: U2.AA19 U3.A5
/FPGA/QDR SRAM/QDR_BWS_3_N: U2.W20 U3.B5
/FPGA/QDR SRAM/QDR_CQ_N: U2.N19 U3.A1
/FPGA/QDR SRAM/QDR_CQ_P: U2.N18 U3.A11
/FPGA/QDR SRAM/QDR_D0: U2.A20 U3.P10
/FPGA/QDR SRAM/QDR_D1: U2.B21 U3.N11
/FPGA/QDR SRAM/QDR_D2: U2.C22 U3.M11
/FPGA/QDR SRAM/QDR_D3: U2.G15 U3.K10
/FPGA/QDR SRAM/QDR_D4: U2.G16 U3.J11
/FPGA/QDR SRAM/QDR_D5: U2.T21 U3.G11
/FPGA/QDR SRAM/QDR_D6: U2.U21 U3.E10
/FPGA/QDR SRAM/QDR_D7: U2.W22 U3.D11
/FPGA/QDR SRAM/QDR_D8: U2.Y22 U3.C11
/FPGA/QDR SRAM/QDR_D9: U2.B20 U3.N10
/FPGA/QDR SRAM/QDR_D10: U2.E17 U3.M9
/FPGA/QDR SRAM/QDR_D11: U2.E16 U3.L9
/FPGA/QDR SRAM/QDR_D12: U2.J16 U3.J9
/FPGA/QDR SRAM/QDR_D13: U2.T20 U3.G10
/FPGA/QDR SRAM/QDR_D14: U2.V14 U3.F9
/FPGA/QDR SRAM/QDR_D15: U2.W21 U3.D10
/FPGA/QDR SRAM/QDR_D16: U2.Y19 U3.C9
/FPGA/QDR SRAM/QDR_D17: U2.AA18 U3.B9
/FPGA/QDR SRAM/QDR_D18: U2.Y18 U3.B3
/FPGA/QDR SRAM/QDR_D19: U2.AB20 U3.C3
/FPGA/QDR SRAM/QDR_D20: U2.W15 U3.D2
/FPGA/QDR SRAM/QDR_D21: U2.T19 U3.F3
/FPGA/QDR SRAM/QDR_D22: U2.T15 U3.G2
/FPGA/QDR SRAM/QDR_D23: U2.C13 U3.J3
/FPGA/QDR SRAM/QDR_D24: U2.D19 U3.L3
/FPGA/QDR SRAM/QDR_D25: U2.D17 U3.M3
/FPGA/QDR SRAM/QDR_D26: U2.B18 U3.N2
/FPGA/QDR SRAM/QDR_D27: U2.AB17 U3.C1
/FPGA/QDR SRAM/QDR_D28: U2.AB16 U3.D1
/FPGA/QDR SRAM/QDR_D29: U2.V15 U3.E2
/FPGA/QDR SRAM/QDR_D30: U2.R16 U3.G1
/FPGA/QDR SRAM/QDR_D31: U2.B16 U3.J1
/FPGA/QDR SRAM/QDR_D32: U2.B15 U3.K2
/FPGA/QDR SRAM/QDR_D33: U2.C15 U3.M1
/FPGA/QDR SRAM/QDR_D34: U2.A15 U3.N1
/FPGA/QDR SRAM/QDR_D35: U2.D16 U3.P2
/FPGA/QDR SRAM/QDR_K_N: U2.AB22 U3.A6
/FPGA/QDR SRAM/QDR_K_P: U2.AA21 U3.B6
/FPGA/QDR SRAM/QDR_ODT: R167.1 R168.1 U3.R6
/FPGA/QDR SRAM/QDR_Q0: U2.A21 U3.P11
/FPGA/QDR SRAM/QDR_Q1: U2.D21 U3.M10
/FPGA/QDR SRAM/QDR_Q2: U2.D22 U3.L11
/FPGA/QDR SRAM/QDR_Q3: U2.F18 U3.K11
/FPGA/QDR SRAM/QDR_Q4: U2.J17 U3.J10
/FPGA/QDR SRAM/QDR_Q5: U2.U22 U3.F11
/FPGA/QDR SRAM/QDR_Q6: U2.V22 U3.E11
/FPGA/QDR SRAM/QDR_Q7: U2.Y21 U3.C10
/FPGA/QDR SRAM/QDR_Q8: U2.AA20 U3.B11
/FPGA/QDR SRAM/QDR_Q9: U2.A19 U3.P9
/FPGA/QDR SRAM/QDR_Q10: U2.C19 U3.N9
/FPGA/QDR SRAM/QDR_Q11: U2.E19 U3.L10
/FPGA/QDR SRAM/QDR_Q12: U2.F16 U3.K9
/FPGA/QDR SRAM/QDR_Q13: U2.U17 U3.G9
/FPGA/QDR SRAM/QDR_Q14: U2.U18 U3.F10
/FPGA/QDR SRAM/QDR_Q15: U2.V18 U3.E9
/FPGA/QDR SRAM/QDR_Q16: U2.V20 U3.D9
/FPGA/QDR SRAM/QDR_Q17: U2.AB21 U3.B10
/FPGA/QDR SRAM/QDR_Q18: U2.AB18 U3.B2
/FPGA/QDR SRAM/QDR_Q19: U2.W17 U3.D3
/FPGA/QDR SRAM/QDR_Q20: U2.V19 U3.E3
/FPGA/QDR SRAM/QDR_Q21: U2.U15 U3.F2
/FPGA/QDR SRAM/QDR_Q22: U2.T16 U3.G3
/FPGA/QDR SRAM/QDR_Q23: U2.E18 U3.K3
/FPGA/QDR SRAM/QDR_Q24: U2.A18 U3.L2
/FPGA/QDR SRAM/QDR_Q25: U2.B17 U3.N3
/FPGA/QDR SRAM/QDR_Q26: U2.B22 U3.P3
/FPGA/QDR SRAM/QDR_Q27: U2.AB15 U3.B1
/FPGA/QDR SRAM/QDR_Q28: U2.Y14 U3.C2
/FPGA/QDR SRAM/QDR_Q29: U2.AA16 U3.E1
/FPGA/QDR SRAM/QDR_Q30: U2.U16 U3.F1
/FPGA/QDR SRAM/QDR_Q31: U2.C14 U3.J2
/FPGA/QDR SRAM/QDR_Q32: U2.A16 U3.K1
/FPGA/QDR SRAM/QDR_Q33: U2.A13 U3.L1
/FPGA/QDR SRAM/QDR_Q34: U2.A14 U3.M2
/FPGA/QDR SRAM/QDR_Q35: U2.B13 U3.P1
/FPGA/QDR SRAM/QDR_QVLD: U2.H20 U3.P6
/FPGA/QDR SRAM/QDR_RPS_N: RN1.5 U2.N22 U3.A8
/FPGA/QDR SRAM/QDR_WPS_N: RN2.8 U2.P22 U3.A4
/Management/ETH12_LED0_3V3: R149.1 U2.H8
/Management/ETH12_LED1_3V3: R150.1 U2.G10
/Management/ETH12_LED2_3V3: R153.1 U2.H9
/Management/ETH13_LED0_3V3: R151.1 U2.H10
/Management/ETH13_LED1_3V3: R152.1 U2.G11
/Management/ETH13_LED2_3V3: R154.1 U2.G8
/Management/ETH_LED1_P: R54.1 U2.F13
/Management/ETH_LED2_P: R55.1 U2.G13
/Management/FAN1_PWM: J11.4 U4.B11
/Management/FAN1_TACH: J11.3 R3.1 U2.F10
/Management/FAN2_PWM: J12.4 U4.B7
/Management/FAN2_TACH: J12.3 R4.1 U2.F9
/Management/FPGA_LED0: R160.1 U2.A9
/Management/FPGA_LED1: R161.1 U2.C10
/Management/FPGA_LED2: R162.1 U2.A10
/Management/FPGA_LED3: R163.1 U2.B10
/Management/HARD_RESET_REQ: U4.P10 U12.28
/Management/I2C_SCL: R51.1 U4.A2 U20.6
/Management/I2C_SDA: R52.1 U4.B3 U20.5
/Management/MCU_BOOT0: R48.1 U4.C5
/Management/MCU_HEARTBEAT: U4.P8 U12.27
/Management/MCU_IRQ: U2.D9 U4.P1
/Management/MCU_JTAG_TCK: J10.6 U4.A12
/Management/MCU_JTAG_TDI: J10.10 U4.A11
/Management/MCU_JTAG_TDO: J10.8 R50.1
/Management/MCU_JTAG_TMS: J10.4 U4.B13
/Management/MCU_JTAG_TRST: R77.2 U4.B6
/Management/MCU_LED0: R156.1 U4.R6
/Management/MCU_LED1: R157.1 U4.R7
/Management/MCU_LED2: R158.1 U4.R9
/Management/MCU_LED3: R159.1 U4.R11
/Management/MCU_QSPI_CLK: U2.C9 U4.P7
/Management/MCU_QSPI_CS_N: U2.B8 U4.R12
/Management/MCU_QSPI_DQ0: U2.C8 U4.R2
/Management/MCU_QSPI_DQ1: U2.A8 U4.R8
/Management/MCU_QSPI_DQ2: U2.E8 U4.M1
/Management/MCU_QSPI_DQ3: U2.E9 U4.P2
/Management/MCU_UART_RX: U4.C15 U23.2
/Management/MCU_UART_TX: U4.B15 U23.3
/Management/MCU_VDDA: C210.1 C213.1 FB5.2 TP28.1 U4.M4
/Management/PMOD_DQ0: J23.1 U2.F14
/Management/PMOD_DQ1: J23.2 U2.H13
/Management/PMOD_DQ2: J23.3 U2.E13
/Management/PMOD_DQ3: J23.4 U2.G12
/Management/PMOD_DQ4: J23.7 U2.H14
/Management/PMOD_DQ5: J23.8 U2.H12
/Management/PMOD_DQ6: J23.9 U2.E12
/Management/PMOD_DQ7: J23.10 U2.F11
/Management/RGMII PHY/CLK_125_N: U2.T3 U21.5
/Management/RGMII PHY/CLK_125_P: U2.R3 U21.4
/Management/RGMII PHY/DCI_VRN_34: R74.2 U2.K4
/Management/RGMII PHY/DCI_VRP_34: R75.2 U2.V5
/Management/RGMII PHY/ETH_A_N: J5.10 U9.3 U64.4 U64.7
/Management/RGMII PHY/ETH_A_P: J5.11 U9.2 U64.5 U64.6
/Management/RGMII PHY/ETH_B_N: J5.4 U9.6 U64.1 U64.10
/Management/RGMII PHY/ETH_B_P: J5.5 U9.5 U64.2 U64.9
/Management/RGMII PHY/ETH_C_N: J5.2 U9.8 U65.4 U65.7
